# Altium PCB GreenHose-PCB.PcbDoc (continued)
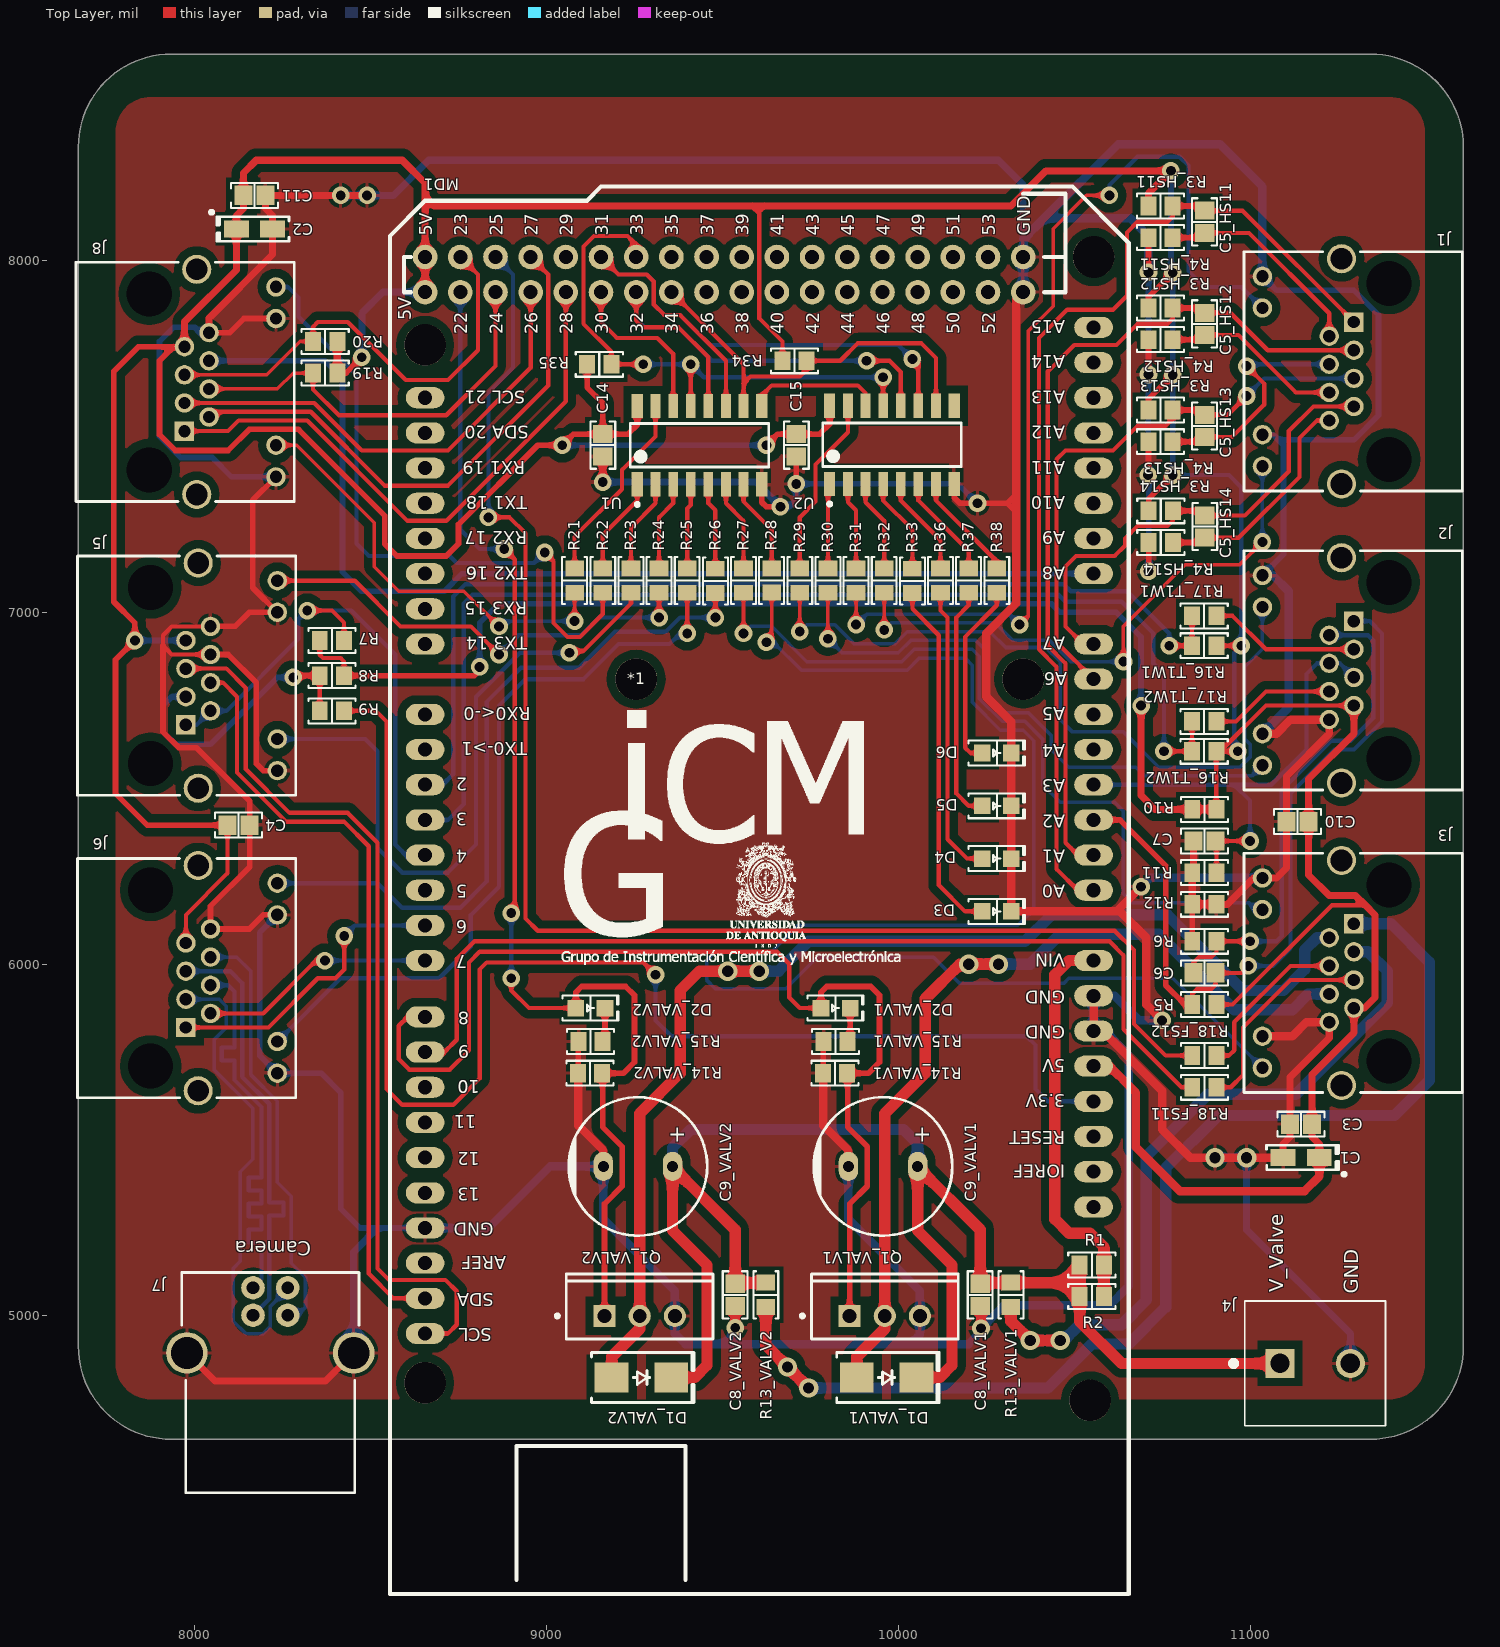
[diagram p0: Top Layer view]
## Footprints (in the part's own frame and the unit in brackets; to place one, negate y for a bottom-side part, rotate by r counter-clockwise, add the part's x,y. Pads: shape width x height; smd on the part's side, far side on the other; paste and mask are expansions set on the pad) (continued)
LOGO [mil]
  silkscreen extent 8,0 970,721
"RES 0805_2012" [mm] "Chip Resistor, 2-Leads, Body 2.00x1.25mm, IPC Medium Density"
  rect 1.15x1.35 smd: 1(-0.875,0) 2(0.875,0)
  silkscreen extent -1.7,-0.9 1.7,0.9, body extent -1,-0.62 1,0.63, height 0.6
TE_282841-2 [mm]
  rect 2.1x2.1 hole 1.4: 1(-2.54,0)
  round 2.1 hole 1.4: 2(2.54,0)
  silkscreen extent -6.09,-4.5 5.08,4.5, body extent -5.08,-4.55 5.58,4.44, height 15.21
TECO-2-406549-1_V [mm] "Connector, 12-Leads, Body 17.27x15.75mm, Pitch 1.016mm"
  rect 1.4x1.4 hole 0.89: 1(3.556,-0.889)
  round 1.4 hole 0.89: 2(2.54,0.889) 3(1.524,-0.889) 4(0.508,0.889) 5(-0.508,-0.889) 6(-1.524,0.889) 7(-2.54,-0.889) 8(-3.556,0.889) 9(-4.572,5.715) 10(-6.858,5.715) 11(6.858,5.715) 12(4.572,5.715)
  round 0 hole 3.251 unplated: MH1(6.35,-3.429) MH2(-6.35,-3.429)
  round 2.1 hole 1.575: S1(8.128,0) S2(-8.128,0)
  silkscreen extent -8.63,-8.71 8.64,7.04, body extent -9.32,-9.68 9.32,7.04, height 14.61

## Part data
C1 C2: library part TCNK106M025R0350, "CAP TANT POLY 10UF 25V 1206"
C3 C4 C5_HS11 C5_HS12 C5_HS13 C5_HS14 C6 C7 C8_VALV1 C8_VALV2 C10 C11 C14 C15: library part C0805C104M5RACAUTO, "CAP CER 0.1UF 50V X7R 0805"
C9_VALV1 C9_VALV2: library part UBT1J470MPD1TD, "CAP ALUM 47UF 20% 63V RADIAL"
D1_VALV1 D1_VALV2: library part MURS120T3G, "DIODE GEN PURP 200V 2A SMB"
D2_VALV1 D2_VALV2 D3 D4 D5 D6: library part APT2012SYCK, "LED YELLOW CLEAR CHIP SMD"
J1 J2 J3 J5 J6 J8: library part CMP-2000-05541-1, "RJ45 Connector, Pitch 1.016 mm, 8 Position, Height 14.22 mm, Tail Length 3.18 mm, RoHS, Tray"
J4: "Conn Terminal Block 2 POS 5.08mm Solder ST Thru-Hole 17.5A/Contact"
J7: library part 61729-1011BLF, "CONN RCPT USB2.0 TYPEB 4POS R/A"
MD1: library part Arduino_Mega_R3
Q1_VALV1 Q1_VALV2: library part CMP-2100-03647-1, "HEXFET(R) Power MOSFET, 100 V, 9.7 A, 0.2 Ohm, -55 to 175 degC, 3-Pin FM (TO-220AB), RoHS, Tube"
R1 R2 R3_HS11 R3_HS12 R3_HS13 R3_HS14 R4_HS11 R4_HS12 R4_HS13 R4_HS14 R5 R6 R7 R8 R9 R10 R11 R12 R13_VALV1 R13_VALV2 R14_VALV1 R14_VALV2 R15_VALV1 R15_VALV2 R16_T1W1 R16_T1W2 R17_T1W1 R17_T1W2 R18_FS11 R18_FS12 R19 R20 R21 R22 R23 R24 R25 R26 R27 R28 R29 R30 R31 R32 R33 R34 R35 R36 R37 R38: library part RC0805FR-071K47L, "RES SMD 1.47K OHM 1% 1/8W 0805"
U1 U2: library part CMP-14351-000003-1, "IC SHIFT REGISTER 8BIT 16SOIC"

## Via types
v1: diameter 50, hole 28, Top Layer to Bottom Layer, 65 vias
v2: diameter 55, hole 32, Top Layer to Bottom Layer, 10 vias

## Nets (pads, with @x,y where several pads share a name; then routed paths per layer and width w, separated by ;. In a path a pad name is that pad's centre, name@x,y a point inside that pad or via, vN(x,y) a via of type N, cw(c..) or ccw(c..) an arc to the next point about the centre after c; other vN are vias at no path point)
3V3: MD1.62 R9.2 | length 3869
  Top Layer w12: R9.2 8515,6720 8545,6690 8545,5645 8590,5600 8735,5600 8810,5675 8810,5985 8830,6005 9275,6005 v1(9310,5970)
  Bottom Layer w12: v1(9310,5970) 9310,5840 9355,5795 10365,5795 10390,5770 10390,5645 10425,5610 MD1.62
5V0: C1.1 C2.1 C3.2 C4.2 C10.2 C11.2 C14.2 C15.2 J2.7 J3.7 J5.7 J6.7 J8.7 MD1.61 MD1.82 MD1.83 R3_HS11.2 R3_HS12.2 R3_HS13.2 R3_HS14.2 R5.2 R7.2 R8.2 R10.1 R10.2 R16_T1W1.2 R16_T1W2.2 R19.2 R20.2 R34.2 R35.2 U1.16 U2.16 | length 19574.4
  Top Layer w12: J6.7 7975,6140 8093.5,6258.5 C4.2 ; R7.2 8355.55,6879.45 8365,6870 8415,6870 8424.45,6860.55 R8.2 ; 9585,8155 9605,8135 ; 9620,8155 9605,8140 9605,8135 ; R34.2 9670.55,7769.45 9605,7835 9605,8135 ; R16_T1W1.2 v1(10975,6905) ; R5.2 10950,5885 11232.5,6167.5 11327.5,6167.5 ; R10.2 10903.9,6440.55 R16_T1W2.2 R16_T1W2.2@10915,6605 ; v1(10965,6605) R16_T1W2.2@10915,6605 ; J2.7 11045,6735 R16_T1W2.2@10915,6605
  Top Layer w16: J8.7 7940,7755 ; C4.2 7865,6395 7775,6485 7775,6865 v1(7830,6920) 7830,6970 7770,7030 7770,7685 7840,7755 7940,7755 ; R19.2 8430,7680 v1(8475,7725) ; R8.2 8795,6820 8810,6835 v1(8810,6845) ; R35.2 9115.55,7639.45 9160,7595 C14.2 ; U1.16 9258.03,7533.03 9231.5,7506.5 C14.2 ; v1(9625,7475) 9656.5,7506.5 C15.2 9776.5,7506.5 9805,7535 U2.16 ; R3_HS13.2 10711.1,7606.1 v1(10780,7675) ; R3_HS12.2 10711.1,7896.1 v1(10780,7965) ; R3_HS14.2 10711.65,7321.65 v1(10780,7390) ; 7940,7755 7900,7715 7900,7505 7945,7460 8095,7460 8155,7520 8295,7520 8540,7275 8540,7195 8575,7160 8715,7160 8750,7195 8750,7250 8975,7475 v1(9045,7475) 9076.5,7506.5 C14.2
  Top Layer w20: J8.7 7970.91,7825.91 8118.43,7973.43 C2.1 8118.43,8128.43 8138.5,8148.5 C11.2 8138.5,8248.5 8175,8285 8590,8285 8655,8220 8655,8180 ; R19.2 R20.2 ; MD1.82 MD1.83 8655,8180 ; v1(10690,6735) 10690,6480 10730,6440 R10.1 R10.2 ; R3_HS11.2 10711.1,8191.1 v1(10775,8255) 10420,8255 10320,8155 9620,8155 9585,8155 8680,8155 8655,8180 ; C1.1 11196.57,5488.43 11176.5,5508.5 C3.2 11176.5,5686.5 11295,5805 J3.7 11325,5875 11355,5905 11355,6140 11327.5,6167.5 11300,6195 11225,6195 11166.5,6253.5 C10.2 11166.5,6526.5 11295,6655 J2.7
  Top Layer w24: MD1.61 10600,5710 10675,5635 10675,5480 10800,5355 11155,5355 11196.57,5396.57 C1.1
  Bottom Layer w12: v1(10780,7390) 10940,7390 10975,7355 v1(10975,6905) 10955,6885 10955,6615 v1(10965,6605)
  Bottom Layer w16: v1(7830,6920) J5.7 ; v1(8810,6845) 8810,6970 8864,7024 10436,7024 10460,7000 10620,7000 10690,6930 v1(10690,6735) ; v1(9045,7475) v1(9625,7475) ; v1(10775,8255) 10775,7970 v1(10780,7965) v1(10780,7675) v1(10780,7390)
  Bottom Layer w20: v1(8475,7725) 8475,7850 8535,7910 MD1.82
AQS_1: C7.2 J2.4 J2.5 MD1.69 R11.2 | length 1393
  Top Layer w12: R11.2 10904.45,6347.6 C7.2 v1(11000,6350)
  Bottom Layer w12: MD1.69 10955,6510 ; v1(11000,6350) 11000,6465 10955,6510 ; J2.5 11255,6855 J2.4 11190,6855 11160,6825 11160,6610 11060,6510 10955,6510
CLK_LATCH: MD1.32 U1.12 U2.12 | length 1452.8
  Top Layer w12: MD1.32 9255,7830 9275,7810 9375,7810 9460,7725 U1.12 ; v1(9910,7715) 9975,7715 10006.97,7683.03 U2.12
  Bottom Layer w12: MD1.32 9255,7835 9280,7810 9375,7810 9470,7715 v1(9910,7715)
CLK_SHIFT: MD1.31 U1.11 U2.11 | length 1826.8
  Top Layer w12: MD1.31 9205,7960 9285,7960 9305,7940 9305,7875 9335,7845 9380,7845 9510,7715 U1.11 ; v1(10040,7720) 10056.97,7703.03 U2.11
  Bottom Layer w12: MD1.31 9205,7960 9285,7960 9305,7940 9305,7875 9335,7845 9380,7845 9465,7760 10000,7760 v1(10040,7720)
D_BUS_N: J6.5 J7.3 | length 1250
  Bottom Layer w12: J6.5 8101.11,5980 8135,5946.11 8135,5680 8212,5603 8212,5560 8212,5359.5 8212,5322.5 8252.25,5322.5 8252.25,5285.5 8212,5285.5 8212,5248.5 8212,5230 8212,5047.91 J7.3
D_BUS_P: J6.4 J7.2 | length 1250
  Bottom Layer w12: J6.4 8095,5940 8113,5922 8113,5763.39 8076.67,5763.39 8076.67,5726.39 8113,5726.39 8113,5689.39 8113,5670.89 8190,5593.89 8190,5393.5 8153.67,5393.5 8153.67,5356.5 8190,5356.5 8190,5319.5 8153.67,5319.5 8153.67,5282.5 8190,5282.5 8190,5245.5 8153.67,5245.5 8153.67,5208.5 8190,5208.5 8190,5190 8190,5104.25 J7.2
DATA_IN: MD1.30 U1.14 | length 476.1
  Top Layer w12: MD1.30 9155,7825 9200,7780 9315,7780 9360,7735 U1.14
FS_1: MD1.9 R18_FS11.1 | length 2740.7
  Top Layer w12: MD1.9 8710,5750 8745,5785 8745,6015 8795,6065 10600,6065 10640,6025 10640,5815 10805,5650 R18_FS11.1
FS_2: MD1.25 R18_FS12.1 | length 4188.5
  Top Layer w12: v1(8835,7270) 8895,7270 8940,7225 8940,6130 8975,6095 10615,6095 10670,6040 10670,5830 10760,5740 R18_FS12.1
  Bottom Layer w12: v1(8835,7270) 8835,7625 8905,7695 8905,7960 MD1.25
GND: C1.2 C2.2 C3.1 C4.1 C7.1 C8_VALV1.1 C8_VALV2.1 C9_VALV1.2 C9_VALV2.2 C10.1 C11.1 C14.1 C15.1 D3.2 D4.2 D5.2 D6.2 J1.9 J1.11 J2.8 J2.9 J2.11 J3.8 J3.9 J3.11 J4.2 J5.6 J5.8 J5.9 J5.11 J6.8 J6.9 J6.11 J7.S J8.8 J8.9 J8.11 MD1.54 MD1.59 MD1.60 MD1.84 MD1.85 Q1_VALV1.3 Q1_VALV2.3 R4_HS11.1 R4_HS12.1 R4_HS13.1 R4_HS14.1 R6.1 R11.1 R12.1 R12.2 R14_VALV1.1 R14_VALV2.1 R15_VALV1.1 R15_VALV2.1 U1.8 U2.8 | length 27070.8
  Top Layer w12: J5.6 7935,6880 7910,6905 7910,6935 7935,6960 J5.8
  Top Layer w16: 7910,6905 7910,6660 7955,6615 8005,6615 8156.5,6463.5 C4.1 8156.5,6276.5 8045,6165 J6.8 8155,6100 8195,6140 J6.9 ; J8.8 8100,7795 8140,7835 J8.9 ; J5.6 8095,6880 8175,6800 8175,6570 8195,6550 J5.11 ; J5.8 8115,6960 8155,7000 J5.9 8165,7070 8165,7319.09 J8.11 ; R14_VALV2.1@9090.55,5690 R15_VALV2.1 ; U1.8 9611.97,7313.03 9625,7300 v1(9665,7300) ; v1(9710,7365) C15.1 ; R14_VALV1.1@9787.13,5690 R15_VALV1.1 ; U2.8 10158.94,7326.06 10175,7310 v1(10225,7310) 10310,7310 ; 10335,7285 10310,7310 ; 10335,7335 10310,7310 ; v1(10710,7390) 10711.1,7391.1 R4_HS13.1 ; v1(10711.1,7676.1) R4_HS12.1 ; v1(10711.1,7966.1) R4_HS11.1 ; v1(10711.65,7116.65) R4_HS14.1 ; R6.1 R12.1
  Top Layer w20: J7.S@7977.99,4895 8057.99,4815 8372.01,4815 J7.S@8452.01,4895 ; J8.8 8040.91,7835.91 8221.57,8016.57 C2.2 8221.57,8128.43 8201.5,8148.5 C11.1 v1(8415,8185) v1(8490,8185) ; v1(9160,7370) C14.1 ; C7.1 10839.06,6263.5 R11.1 R12.1 R12.2 10935,6170 11010,6245 J3.11 11075,6245 11103.5,6273.5 C10.1 11103.5,6533.5 11225,6655 J2.8 ; C1.2 11093.43,5488.43 11113.5,5508.5 C3.1 11113.5,5678.5 11225,5790 J3.8
  Top Layer w24: R14_VALV2.1@9090.55,5690 9090.55,5540.79 9161.58,5469.76 C9_VALV2.2 ; v1(9536.34,4966.34) C8_VALV2.1 ; R14_VALV1.1@9787.13,5690 9787.13,5540.79 9858.15,5469.76 C9_VALV1.2 ; C8_VALV1.1 10235,5026.42 v1(10235,4965) ; MD1.84@10365,7900 MD1.84 10335,7890 10335,7335 10335,7285 10335,7025 10250,6940 10250,6760 10321.34,6688.66 D6.2 D5.2 D4.2 D3.2 10620,6150 ; MD1.59 MD1.60 10580,5810 10750,5640 10750,5530 10830,5450 v2(10900,5450) v2(10990,5450) C1.2 ; v1(10690,6220) 10620,6150 ; v1(10750,5840) 10705,5885 10705,6075 10630,6150 10620,6150 ; J3.9 11120,5795 11160,5835 J3.8 ; J2.9 11075,6655 11115,6695 J2.8
  Bottom Layer w16: J8.8 8015,7795 8000,7810 7940,7810 7900,7770 7900,7500 7960,7440 8050,7440 8105,7385 J8.11 ; J6.9 8185,6090 8185,5740 J6.11 8360,5690 8415,5635 8415,5305 8470,5250 8520,5250 MD1.54 ; v1(9665,7300) 9690,7300 9710,7320 v1(9710,7365) 10170,7365 v1(10225,7310) ; v1(10711.1,7966.1) v1(10711.1,7676.1) 10710,7675 v1(10710,7390) 10711.65,7388.35 v1(10711.65,7116.65) ; J2.11 11095,7165 11095,7475 11080,7490 ; J1.9 11065,7505 11080,7490 ; J1.11 11075,7915 11295,7915 11365,7845 11365,7560 11295,7490 11080,7490
  Bottom Layer w20: v1(8415,8185) v1(8490,8185) 8565,8185 8665,8285 10285,8285 10355,8215 10355,8060 MD1.85 ; J7.S@8452.01,4895 8452.01,5182.01 8520,5250 ; v1(9160,7370) 9595,7370 v1(9665,7300) ; v2(10990,5450) 10990,5245 11285,4950 J4.2
  Bottom Layer w24: MD1.54 8835,5250 9010,5425 C9_VALV2.2 9161.58,5274.76 9365,5071.34 Q1_VALV2.3 9365,4950 9395,4920 9505,4920 ; v1(9536.34,4966.34) 9536.34,4951.34 9505,4920 ; C9_VALV1.2 9858.15,5274.76 10061.58,5071.34 Q1_VALV1.3 10061.58,4946.57 10035,4920 ; MD1.84 MD1.85 ; 10355,8060 10415,8120 ; v1(10690,6220) 10715,6245 J3.11 ; v1(10711.1,7966.1) 10711.1,8068.9 10660,8120 10415,8120 ; v1(10750,5840) 10685,5840 10615,5910 MD1.59 MD1.60 10585,5810 10655,5740 10655,5085 10600,5030 10300,5030 v1(10235,4965) 10245,4955 10235,4955 10200,4920 10035,4920 ; v2(10900,5450) v2(10990,5450) ; J2.9 11110,6730 11110,7060 11065,7105 J2.11 ; J1.11 11035,8210 10915,8330 10625,8330 10415,8120 ; 9505,4920 10035,4920
GND_BUS: J6.6 J7.4 | length 1211.2
  Bottom Layer w10: J6.6 8120,6020 8160,5980 8160,5685 8235,5610 8235,5380 8275,5340 8275,5150 8315,5110 8315,5025 8291.69,5001.69 J7.4
H_IN_N_1: C5_HS11.1 J1.2 R4_HS11.2 | length 610.2
  Top Layer w12: C5_HS11.1 10996.5,8078.5 11225,7850 J1.2
  Top Layer w16: R4_HS11.2 10857.05,8065 C5_HS11.1
H_IN_N_2: C5_HS12.1 J1.6 R4_HS12.2 | length 518.3
  Top Layer w12: C5_HS12.1 10966.5,7788.5 11130,7625 J1.6
  Top Layer w16: R4_HS12.2 10857.05,7775 C5_HS12.1
H_IN_N_3: C5_HS13.1 J1.4 R4_HS13.2 | length 671.3
  Top Layer w12: C5_HS13.1 10948.5,7498.5 11040,7590 11040,7650 v1(10990,7700)
  Top Layer w16: R4_HS13.2 10857.05,7485 C5_HS13.1
  Bottom Layer w12: v1(10990,7700) 10995,7705 J1.4
H_IN_N_4: C5_HS14.1 J1.8 R4_HS14.2 | length 652.4
  Top Layer w12: C5_HS14.1 10967.01,7212.01 11140,7385 11140,7495 11190,7545 J1.8
  Top Layer w16: R4_HS14.2 10857.6,7198.5 C5_HS14.1
H_IN_P_1: C5_HS11.2 J1.1 MD1.66 R3_HS11.1 | length 2970.6
  Top Layer w12: MD1.66 10510,6210 10450,6270 10450,6845 10400,6895 10400,7780 10480,7860 10610,7860 10650,7900 10650,8080 10680,8110 10765,8110 10780,8125 R3_HS11.1 ; C5_HS11.2 10978.5,8141.5 J1.1
  Top Layer w16: R3_HS11.1 10857.05,8155 C5_HS11.2
H_IN_P_2: C5_HS12.2 J1.3 MD1.67 R3_HS12.1 | length 2467
  Top Layer w12: MD1.67 10510,6310 10475,6345 10475,6855 10425,6905 10425,7685 10500,7760 10620,7760 10680,7820 10765,7820 10780,7835 R3_HS12.1 ; C5_HS12.2 10943.5,7851.5 11050,7745 J1.3
  Top Layer w16: R3_HS12.1 10857.05,7865 C5_HS12.2
H_IN_P_3: C5_HS13.2 J1.5 MD1.72 R3_HS13.1 | length 1634.6
  Top Layer w12: MD1.72 10450,6915 10450,7435 10475,7460 10610,7460 10680,7530 10760,7530 10780,7550 R3_HS13.1 ; C5_HS13.2 10936.5,7561.5 v1(10990,7615)
  Top Layer w16: R3_HS13.1 10857.05,7575 C5_HS13.2
  Bottom Layer w12: v1(10990,7615) 11040,7665 J1.5
H_IN_P_4: C5_HS14.2 J1.7 MD1.73 R3_HS14.1 | length 1385.8
  Top Layer w12: MD1.73 10525,6910 10475,6960 10475,7130 10505,7160 10615,7160 10645,7190 10645,7210 10680,7245 10765,7245 10780.55,7260.55 R3_HS14.1 ; C5_HS14.2 10985,7275 11110,7400 11110,7515 11180,7585 J1.7
  Top Layer w16: R3_HS14.1 10857.6,7288.5 C5_HS14.2
HALL_E_1: J3.5 R18_FS11.2 | length 596
  Top Layer w12: R18_FS11.2 10945,5650 10980,5685 10980,5820 11115,5955 J3.5
HALL_E_2: J3.4 R18_FS12.2 | length 473
  Top Layer w12: R18_FS12.2 10940,5740 10955,5755 10955,5835 11115,5995 J3.4
L_IN_N: C6.1 J2.2 R6.2 | length 1440.7
  Top Layer w12: C6.1 10838.5,6003.5 10855,6020 10890,6020 10904.45,6034.45 R6.2 v1(11000,6065)
  Bottom Layer w12: v1(11000,6065) 11075,6065 11090,6080 11090,6495 11230,6635 11285,6635 11350,6700 11350,6920 11335,6935 J2.2
L_IN_P: C6.2 J2.1 MD1.68 R5.1 | length 2214
  Top Layer w12: R5.1 10835.55,5915.55 10850,5930 10890,5930 10901.5,5941.5 C6.2 10906.5,5980 10911.5,5975 10975,5975 v1(10995,5995)
  Top Layer w16: MD1.68 10630,6410 10760,6280 10760,5940 10815,5885 R5.1
  Bottom Layer w12: v1(10995,5995) 11065,5995 11115,6045 11115,6485 11240,6610 11295,6610 11375,6690 11375,6940 11340,6975 J2.1
M_RST: MD1.34 R34.1 U1.10 U2.10 | length 1171.2
  Top Layer w12: MD1.34 9560,7705 9560,7650 ; U1.10 9560,7650 ; U2.10 10106.97,7723.03 10065,7765 9885,7765 9835,7715 R34.1 9739.45,7689.45 9720,7670 9580,7670 9560,7650
NetD2_VALV1_2: D2_VALV1.2 R15_VALV1.2 | length 97.9
  Top Layer w16: R15_VALV1.2 9862.91,5786.89 D2_VALV1.2
NetD2_VALV2_2: D2_VALV2.2 R15_VALV2.2 | length 97.9
  Top Layer w16: R15_VALV2.2 9166.34,5786.89 D2_VALV2.2
NetD3_1: D3.1 R33.1 | length 1015.8
  Top Layer w12: R33.1 10040,7010 10115,6935 10115,6225 10190,6150 D3.1
NetD4_1: D4.1 R36.1 | length 830.3
  Top Layer w12: R36.1 10120,7005 10140,6985 10140,6355 10195,6300 D4.1
NetD5_1: D5.1 R37.1 | length 673.2
  Top Layer w12: R37.1 10200,7020 10165,6985 10165,6485 10200,6450 D5.1
NetD6_1: D6.1 R38.1 | length 532.7
  Top Layer w12: D6.1 10205,6600 10190,6615 10190,6930 10280,7020 R38.1
NetJ1_10: J1.10 R32.1 | length 1648.8
  Top Layer w10: v1(9960,6950) R32.1 ; v1(10640,6860) 10640,6960 10815,7135 10970,7135 v1(11035,7200)
  Bottom Layer w10: v1(9960,6950) 9980,6970 10275,6970 10325,6920 10430,6920 10490,6860 v1(10640,6860) ; v1(11035,7200) J1.10
NetJ1_12: J1.12 R31.1 | length 2796.1
  Top Layer w10: v1(9880,6965) R31.1 ; v1(10345,6965) 10370,6990 10370,7800 10440,7870 10440,8090 10535,8185 10555,8185
  Top Layer w12: 10555,8185 v1(10600,8185)
  Bottom Layer w10: v1(9880,6965) 9910,6995 10315,6995 v1(10345,6965)
  Bottom Layer w12: v1(10600,8185) 10600,8215 10680,8295 10800,8295 10825,8270 10825,7970 10870,7925 10975,7925 J1.12
NetJ2_10: J2.10 R30.1 | length 1662.2
  Top Layer w10: v1(9800,6925) R30.1
  Bottom Layer w10: v1(9800,6925) 9840,6885 10000,6885 10035,6920 10220,6920 10255,6885 10255,6765 10305,6715 10370,6715 10435,6650 10435,6610 10485,6560 10675,6560 10700,6535 11005,6535 J2.10
NetJ2_12: J2.12 R29.1 | length 2158
  Top Layer w10: v1(9720,6945) R29.1
  Bottom Layer w10: v1(9720,6945) 9740,6965 9820,6965 9875,6910 9990,6910 10025,6945 10260,6945 10305,6900 10420,6900 10460,6860 10460,6695 10495,6660 10640,6660 10740,6560 10970.91,6560 11001,6590.09 11001,6624 10985,6640 10985,6845 11035,6895 J2.12
NetJ3_10: J3.10 R28.1 | length 4409.4
  Top Layer w10: v1(9625,6915) 9640,6930 R28.1
  Bottom Layer w10: v1(9625,6915) 9645,6915 9725,6835 10025,6835 10060,6870 10190,6870 10210,6850 10210,6745 10290,6665 10355,6665 10385,6635 10385,6155 10340,6110 9715,6110 9640,6035 9480,6035 9455,6010 9455,5955 9480,5930 9680,5930 9770,6020 10100,6020 10175,5945 10470,5945 10485,5960 10780,5960 J3.10
NetJ3_12: J3.12 R27.1 | length 2245.4
  Top Layer w10: v1(9560,6940) R27.1
  Bottom Layer w10: v1(9560,6940) 9580,6960 9640,6960 9740,6860 10010,6860 10045,6895 10210,6895 10230,6875 10230,6755 10295,6690 10360,6690 10410,6640 10410,6510 10460,6460 10615,6460 10640,6435 10640,6200 10665,6175 10995,6175 11015,6155 J3.12
NetJ5_4: J5.4 MD1.56 | length 2172.5
  Top Layer w12: J5.4 8080,6800 8120,6760 8120,6544.64 8259.64,6405 8424.64,6405 8494.68,6334.97 8494.68,5120.32 8565,5050 MD1.56
NetJ5_5: J5.5 MD1.57 | length 2542
  Top Layer w12: J5.5 8090,6840 8145,6785 8145,6555 8270,6430 8435,6430 8520,6345 8520,5135 8552.5,5102.5 8712.5,5102.5 8745,5070 8745,4975 8720,4950 MD1.57
NetJ5_10: J5.10 R24.1 | length 1286
  Top Layer w12: J5.10 8455,7090 8585,6960 8785,6960 v1(8865,6880) ; v1(9320,6985) R24.1
  Bottom Layer w12: v1(8865,6880) 8920,6935 9100,6935 9150,6985 v1(9320,6985)
NetJ5_12: J5.12 R23.1 | length 1924
  Top Layer w12: v1(9065,6885) 9065,6880 9075,6890 9105,6890 9240,7025 R23.1
  Bottom Layer w12: J5.12 8485,6640 8520,6605 8520,6330 8590,6260 8720,6260 8800,6340 8800,6760 8925,6885 v1(9065,6885)
NetJ6_10: J6.10 R26.1 | length 1984.5
  Top Layer w12: v1(9480,6985) R26.1
  Bottom Layer w12: J6.10 8520,6230 8590,6160 8755,6160 8830,6235 8830,6745 8927.5,6842.5 9092.5,6842.5 9195,6945 9340,6945 9380,6985 v1(9480,6985)
NetJ6_12: J6.12 R25.1 | length 2115.4
  Top Layer w12: v1(9400,6940) R25.1
  Bottom Layer w12: J6.12 8415,5960 8695,5960 8785,6050 8785,6140 8865,6220 8865,6735 8940,6810 9105,6810 9205,6910 9350,6910 9380,6940 v1(9400,6940)
NetJ8_1: J8.1 MD1.28 | length 1665.4
  Top Layer w12: J8.1 8095,7515 8125,7545 8320,7545 8605,7260 8715,7260 9055,7600 MD1.28
NetJ8_2: J8.2 MD1.27 | length 1561
  Top Layer w12: J8.2 8055.91,7570 8330,7570 8540,7360 8720,7360 9005,7645 9005,7960 MD1.27
NetJ8_3: J8.3 MD1.26 | length 1352.3
  Top Layer w12: J8.3 8340,7595 8475,7460 8720,7460 8955,7695 MD1.26
NetJ8_4: J8.4 MD1.24 R19.1 | length 1177.6
  Top Layer w10: J8.4 8235,7635 8280,7680 R19.1
  Top Layer w12: R19.1 8336.46,7633.54 8410,7560 8715,7560 8855,7700 MD1.24
NetJ8_5: J8.5 MD1.23 R20.1 | length 1309.8
  Top Layer w10: J8.5 8205,7675 8300,7770 R20.1
  Top Layer w12: R20.1 8336.46,7811.46 8350,7825 8435,7825 8600,7660 8720,7660 8805,7745 8805,7960 MD1.23
NetJ8_6: J8.6 MD1.74 | length 3128.3
  Bottom Layer w16: J8.6 8370,7715 8420,7665 8420,7115 8475,7060 8710,7060 8760,7110 MD1.74
NetJ8_10: J8.10 R22.1 | length 1869.5
  Top Layer w12: v1(8995,7170) 9020,7145 9020,6970 9060,6930 9095,6930 9160,6995 R22.1
  Bottom Layer w12: J8.10 8265,7925 8295,7895 8295,7840 8460,7675 8460,7195 8495,7160 8725,7160 8745,7140 8965,7140 v1(8995,7170)
NetJ8_12: J8.12 R21.1 | length 1222.4
  Top Layer w10: J8.12 8290,7475 8510,7255 8510,7130 8580,7060 8765,7060 v1(8865,6960) ; v1(9080,6975) R21.1
  Bottom Layer w10: v1(8865,6960) 8880,6975 v1(9080,6975)
NetR21_2: R21.2 U1.15 | length 557
  Top Layer w12: R21.2 9080,7215 9215,7350 9215,7405 9310,7500 U1.15
NetR22_2: R22.2 U1.1 | length 279.9
  Top Layer w12: R22.2 9160,7220 9258.03,7318.03 U1.1
NetR23_2: R23.2 U1.2 | length 268.3
  Top Layer w12: R23.2 9240,7240 9310,7310 U1.2
NetR24_2: R24.2 U1.3 | length 255.9
  Top Layer w12: R24.2 9320,7270 9360,7310 U1.3
NetR25_2: R25.2 U1.4 | length 243.5
  Top Layer w12: R25.2 9400,7295 9410,7305 U1.4
NetR26_2: R26.2 U1.5 | length 248.2
  Top Layer w12: U1.5 9460,7310 9480,7290 R26.2
NetR27_2: R27.2 U1.6 | length 260
  Top Layer w12: U1.6 9510,7310 9560,7260 R27.2
NetR28_2: R28.2 U1.7 | length 271.9
  Top Layer w12: U1.7 9560,7315 9640,7235 R28.2
NetR29_2: R29.2 U2.15 | length 519.7
  Top Layer w12: R29.2 9720,7270 9765,7315 9765,7420 9856.97,7511.97 U2.15
NetR30_2: R30.2 U2.1 | length 242.6
  Top Layer w12: R30.2 9800,7360 U2.1
NetR31_2: R31.2 U2.2 | length 250.1
  Top Layer w12: U2.2 9856.97,7313.03 9880,7290 R31.2
NetR32_2: R32.2 U2.3 | length 262.5
  Top Layer w12: U2.3 9906.97,7313.03 9960,7260 R32.2
NetR33_2: R33.2 U2.4 | length 275.5
  Top Layer w12: U2.4 9956.97,7318.03 10040,7235 R33.2
NetR36_2: R36.2 U2.5 | length 287.4
  Top Layer w12: U2.5 10006.97,7318.03 10120,7205 R36.2
NetR37_2: R37.2 U2.6 | length 299.8
  Top Layer w12: U2.6 10056.97,7318.03 10200,7175 R37.2
NetR38_2: R38.2 U2.7 | length 312.2
  Top Layer w12: U2.7 10106.97,7318.03 10280,7145 R38.2
NetU1_9: U1.9 U2.14 | length 382
  Top Layer w12: U1.9 9611.97,7616.97 9640,7645 9885,7645 9906.97,7623.03 U2.14
ONE_WIRE_1: J2.3 R17_T1W1.2 | length 430.5
  Top Layer w12: R17_T1W1.2 10950,6990 11045,6895 J2.3
ONE_WIRE_2: J2.6 R17_T1W2.2 | length 356.3
  Top Layer w12: R17_T1W2.2 10960,6690 11045,6775 J2.6
OUT_EN: MD1.33 R35.1 U1.13 U2.13 | length 1562.9
  Top Layer w12: MD1.33 9255,8045 9230,8070 9135,8070 9105,8040 9105,7820 9184.45,7740.55 R35.1 v1(9275,7705) ; U1.13 v1(9410,7705) ; U2.13 v1(9956.97,7668.03)
  Bottom Layer w12: v1(9275,7705) v1(9410,7705) 9446.97,7668.03 v1(9956.97,7668.03)
T_1W_1: MD1.2 R16_T1W1.1 R17_T1W1.1 | length 2889.9
  Top Layer w12: v1(10770,6905) R16_T1W1.1 R17_T1W1.1
  Bottom Layer w12: MD1.2 8705,6510 8735,6540 8735,7045 8770,7080 10470,7080 10490,7060 10650,7060 10770,6940 v1(10770,6905)
T_1W_2: MD1.3 R16_T1W2.1 R17_T1W2.1 | length 3227
  Top Layer w12: v1(10755,6605) R16_T1W2.1 R17_T1W2.1
  Bottom Layer w12: MD1.3 8720,6410 8765,6455 8765,7025 8790,7050 10455,7050 10475,7030 10635,7030 10725,6940 10725,6855 10755,6825 v1(10755,6605)
THS_1: J5.1 J5.2 MD1.4 R7.1 | length 1620.3
  Top Layer w12: v1(8320,7005) 8390,7005 8424.45,6970.55 R7.1
  Bottom Layer w12: J5.1 8005,6680 J5.2 8090,6720 8295,6925 8295,6980 v1(8320,7005) 8445,7005 8570,6880 8570,6340 8600,6310 MD1.4
V_BUS: J6.3 J7.1 | length 1359.3
  Bottom Layer w10: J6.3 8070,5900 8090,5880 8090,5820 8055,5785 8055,5700 8165,5590 8165,5445 8130,5410 8130,5155 8110,5135 8110,4985 8145,4950 8195,4950 8215,4970 8215,5026.86 8264.21,5076.08 J7.1
V_PRESS: J5.3 R8.1 R9.1 | length 791.2
  Top Layer w12: R9.1 R8.1
  Top Layer w16: v1(8280,6815) 8285,6820 R8.1
  Bottom Layer w16: J5.3 7935,6760 7910,6735 7910,6660 7945,6625 8045,6625 8235,6815 v1(8280,6815)
V_VALVE: C8_VALV1.2 C8_VALV2.2 C9_VALV1.1 C9_VALV2.1 D1_VALV1.2 D1_VALV2.2 J4.1 R1.1 R2.1 R13_VALV1.2 R13_VALV2.2 | length 4342.7
  Top Layer w32: D1_VALV2.2 9421.34,4825 9456.34,4860 9456.34,5145 9358.42,5242.91 C9_VALV2.1@9358.42,5422.91 ; C9_VALV2.1 C9_VALV2.1@9358.42,5422.91 ; R13_VALV2.2@9620,5094.45 9539.29,5094.45 C8_VALV2.2 9536.34,5245 C9_VALV2.1@9358.42,5422.91 ; D1_VALV1.2 10117.91,4825 10152.91,4860 10152.91,5145 10055,5242.91 C9_VALV1.1@10055,5422.91 ; C9_VALV1.1 C9_VALV1.1@10055,5422.91 ; J4.1 10635,4865 10515.55,4984.45 R2.1 ; C9_VALV1.1@10055,5422.91 10232.91,5245 C8_VALV1.2 10235.87,5094.45 R13_VALV1.2 10465,5094.45 ; 10465,5094.45 R1.1 R2.1 ; 10465,5094.45 10504.45,5055 R2.1
  Bottom Layer w32: C9_VALV2.1 9358.42,5478.43 9410,5530 10015,5530 10055,5490 C9_VALV1.1
VALV_1: D2_VALV1.1 MD1.8 Q1_VALV1.1 R14_VALV1.2 | length 3056.1
  Top Layer w12: MD1.8 8605,5850 8580,5825 8580,5730 8610,5700 8725,5700 8780,5755 8780,6005 8810,6035 9655,6035 9690,6000 9690,5905 9720,5875 D2_VALV1.1
  Top Layer w16: D2_VALV1.1 9780.24,5920.16 9796.58,5936.5 9921.58,5936.5 9946.58,5911.5 9946.58,5721.5 9915.08,5690 9856.02,5690 9856.02,5536.89 9911.58,5481.34 9911.58,5368.66 9861.58,5318.66 Q1_VALV1.1
VALV_2: D2_VALV2.1 MD1.22 Q1_VALV2.1 R14_VALV2.2 | length 3561.7
  Top Layer w12: v1(8880,7180) 8910,7150 8910,6155 v1(8900,6145) ; v1@8890,6135 v1@8895,6140 ; v1(8900,5960) 8900,5925 8950,5875 D2_VALV2.1
  Top Layer w16: D2_VALV2.1 9083.66,5920.16 9100,5936.5 9225,5936.5 9250,5911.5 9250,5721.5 9218.5,5690 9159.45,5690 9159.45,5536.89 9215,5481.34 9215,5368.66 9165,5318.66 Q1_VALV2.1
  Bottom Layer w12: MD1.22 8755,7235 8810,7180 v1(8880,7180) ; v1(8900,5960) v1(8900,6145)
VALVE_N_1: D1_VALV1.1 J3.6 Q1_VALV1.2 | length 2574.3
  Top Layer w32: D1_VALV1.1 9881.93,4884.02 9961.58,4963.66 Q1_VALV1.2 9961.58,5575 10076.58,5690 10076.58,5901.57 10175,6000 v2(10200,6000) v2(10285,6000)
  Bottom Layer w32: v2(10200,6000) v2(10285,6000) 10375,6000 10460,6085 10740,6085 10955,5870 11120,5870 11165,5915 J3.6
VALVE_N_2: D1_VALV2.1 J3.2 Q1_VALV2.2 | length 3388.1
  Top Layer w32: D1_VALV2.1 9185.35,4884.02 9265,4963.66 Q1_VALV2.2 9265,5575 9380,5690 9380,5925 9435,5980 v2(9515,5980) v2(9605,5980)
  Bottom Layer w32: v2(9515,5980) v2(9605,5980) 9660,5980 9745,6065 10360,6065 10435,6140 10765,6140 10980,5925 11095,5925 11155,5985 11155,6040 11190,6075 J3.2
VALVE_P_1: J3.3 R13_VALV1.1 | length 2063.9
  Top Layer w32: R13_VALV1.1 10320,4985 v2(10375,4930) v2(10460,4930)
  Bottom Layer w32: v2(10375,4930) v2(10460,4930) 10470,4930 10515,4975 10635,4975 10705,5045 10705,5455 10880,5630 11130,5630 11390,5890 11390,5980 11335,6035 J3.3
VALVE_P_2: J3.1 R13_VALV2.1 | length 3320.1
  Top Layer w32: R13_VALV2.1 9623.42,4916.57 v2(9685,4855) v2(9745,4795)
  Bottom Layer w32: v2(9685,4855) v2(9745,4795) 10425,4795 10550,4920 10655,4920 10760,5025 10760,5420 10910,5570 11410,5570 11510,5670 11510,6005 11400,6115 J3.1
VIN: MD1.58 R1.2 R2.2 | length 1134.5
  Top Layer w32: MD1.58 10485,6010 10445,5970 10445,5275 10485,5235 10545,5235 10584.45,5195.55 R1.2 R2.2
W_DOUT: J6.1 MD1.6 | length 855.8
  Top Layer w12: J6.1 8210,5820 8350,5960 8400,5960 8425,5985 v1(8425,6080)
  Bottom Layer w12: v1(8425,6080) 8455,6110 MD1.6
W_SCK: J6.2 MD1.7 | length 672.1
  Top Layer w12: J6.2 8195,5860 8345,6010 v1(8370,6010)
  Bottom Layer w12: v1(8370,6010) MD1.7
pads on no net: J1.MH1 J1.MH2 J1.S1 J1.S2 J2.MH1 J2.MH2 J2.S1 J2.S2 J3.MH1 J3.MH2 J3.S1 J3.S2 J5.MH1 J5.MH2 J5.S1 J5.S2 J6.MH1 J6.MH2 J6.S1 J6.S2 J8.MH1 J8.MH2 J8.S1 J8.S2 MD1. MD1.0 MD1.1 MD1.5 MD1.10 MD1.11 MD1.12 MD1.13 MD1.14 MD1.15 MD1.16 MD1.17 MD1.18 MD1.19 MD1.20 MD1.21 MD1.29 MD1.35 MD1.36 MD1.37 MD1.38 MD1.39 MD1.40 MD1.41 MD1.42 MD1.43 MD1.44 MD1.45 MD1.46 MD1.47 MD1.48 MD1.49 MD1.50 MD1.51 MD1.52 MD1.53 MD1.55 MD1.63 MD1.64 MD1.65 MD1.70 MD1.71 MD1.75 MD1.76 MD1.77 MD1.78 MD1.79 MD1.80 MD1.81 U2.9

## Polygon pours and split planes (outlines as drawn)
GND on Bottom Layer "GroundPlaneB" (solid, pour order 4): 7775.59,5019.69 7775.59,4863.78 ccw(c7875.59,4863.78) 7875.59,4763.78 8000,4763.78 11396.06,4763.78 ccw(c11396.06,4863.78) 11496.06,4863.78 11496.06,5141.73 11496.06,8364.57 ccw(c11396.06,8364.57) 11396.06,8464.57 11122.05,8464.57 7875.59,8464.57 ccw(c7875.59,8364.57) 7775.59,8364.57 7775.59,8279.53
GND on Top Layer "GroundPlaneT" (solid, pour order 6): 7775.59,4881.46 7775.59,4863.78 ccw(c7875.59,4863.78) 7875.59,4763.78 7901.57,4763.78 11396.06,4763.78 ccw(c11396.06,4863.78) 11496.06,4863.78 11496.06,5019.69 11496.06,8364.57 ccw(c11396.06,8364.57) 11396.06,8464.57 11338.58,8464.57 7875.59,8464.57 ccw(c7875.59,8364.57) 7775.59,8364.57 7775.59,8338.58

## Silkscreen, mask and mechanical layers (free items; w line width, h text height)
Top Overlay:
  text "Camera" at 8330.71,5212.6 h40 r180
  text "V_Valve" at 11094.49,5066.93 h40 r90
  text "GND" at 11307.09,5062.99 h40 r90
Bottom Overlay:
  text "Sensores  / Adicionales" at 8195,7875 h40 r90
  text "Sensores  / Higrometro" at 11060,7490 h40 r270
  text "Sensores  / Ambientales" at 8200,7025 h40 r90
  text "Sensores  / Temperatura" at 11065,6655 h40 r270
  text "Sensores  / Apiario" at 8215,6135 h40 r90
  text "Sensores  / Flujo" at 11060,5800 h40 r270
Mechanical 1:
  the board outline again, w6

## Dimensions
7669.29,8322.83 to 11606.3,8322.83 on Mechanical 13
11342.52,8586.61 to 11342.52,4649.61 on Mechanical 13

## Text inside footprints (layer, text, board x,y; h text height)
C9_VALV1: Top Overlay "+" at 10043.19,5480.12 h78.74
C9_VALV2: Top Overlay "+" at 9346.61,5480.12 h78.74
MD1: Top Overlay "A15" at 10475,7830 h36 r180; Top Overlay "A14" at 10475,7730 h36 r180; Top Overlay "A13" at 10475,7630 h36 r180; Top Overlay "A12" at 10475,7530 h36 r180; Top Overlay "A11" at 10475,7430 h36 r180; Top Overlay "A10" at 10475,7330 h36 r180; Top Overlay "A9" at 10475,7230 h36 r180; Top Overlay "A8" at 10475,7130 h36 r180; Top Overlay "A7" at 10475,6930 h36 r180; Top Overlay "A6" at 10480,6830 h36 r180; Top Overlay "SCL 21" at 8940,7630 h36 r180; Top Overlay "SDA 20" at 8950,7530 h36 r180; Top Overlay "RX1 19" at 8940,7430 h36 r180; Top Overlay "TX1 18" at 8945,7330 h36 r180; Top Overlay "RX2 17" at 8945,7230 h36 r180; Top Overlay "TX2 16" at 8945,7130 h36 r180; Top Overlay "TX2 16" at 8945,7130 h36 r180; Top Overlay "RX3 15" at 8945,7030 h36 r180; Top Overlay "TX3 14" at 8945,6930 h36 r180; Top Overlay "RX0<-0" at 8955,6730 h36 r180; Top Overlay "TX0->1" at 8945,6630 h36 r180; Top Overlay "2" at 8775,6530 h36 r180; Top Overlay "3" at 8775,6430 h36 r180; Top Overlay "4" at 8775,6325 h36 r180; Top Overlay "5" at 8775,6225 h36 r180; Top Overlay "6" at 8775,6125 h36 r180; Top Overlay "7" at 8775,6025 h36 r180; Top Overlay "8" at 8780,5865 h36 r180; Top Overlay "9" at 8780,5770 h36 r180; Top Overlay "10" at 8810,5670 h36 r180; Top Overlay "10" at 8810,5670 h36 r180; Top Overlay "11" at 8800,5570 h36 r180; Top Overlay "12" at 8810,5465 h36 r180; Top Overlay "13" at 8810,5365 h36 r180; Top Overlay "GND" at 8850,5265 h36 r180; Top Overlay "AREF" at 8885,5170 h36 r180; Top Overlay "SDA" at 8850,5065 h36 r180; Top Overlay "SCL" at 8845,4965 h36 r180; Top Overlay "A5" at 10475,6730 h36 r180; Top Overlay "A4" at 10475,6625 h36 r180; Top Overlay "A3" at 10475,6525 h36 r180; Top Overlay "A2" at 10475,6425 h36 r180; Top Overlay "A1" at 10475,6325 h36 r180; Top Overlay "A0" at 10475,6225 h36 r180; Top Overlay "VIN" at 10475,6030 h36 r180; Top Overlay "GND" at 10475,5925 h36 r180; Top Overlay "GND" at 10475,5825 h36 r180; Top Overlay "5V" at 10475,5730 h36 r180; Top Overlay "3.3V" at 10475,5630 h36 r180; Top Overlay "RESET" at 10475,5525 h36 r180; Top Overlay "IOREF" at 10475,5430 h36 r180; Top Overlay "23" at 8775,8070 h36 r90; Top Overlay "22" at 8775,7790 h36 r90; Top Overlay "24" at 8875,7790 h36 r90; Top Overlay "26" at 8975,7790 h36 r90; Top Overlay "28" at 9075,7790 h36 r90; Top Overlay "30" at 9175,7790 h36 r90; Top Overlay "32" at 9275,7790 h36 r90; Top Overlay "34" at 9375,7790 h36 r90; Top Overlay "36" at 9475,7790 h36 r90; Top Overlay "38" at 9575,7790 h36 r90; Top Overlay "40" at 9675,7790 h36 r90; Top Overlay "42" at 9775,7790 h36 r90; Top Overlay "44" at 9875,7790 h36 r90; Top Overlay "46" at 9975,7790 h36 r90; Top Overlay "48" at 10075,7790 h36 r90; Top Overlay "50" at 10175,7790 h36 r90; Top Overlay "52" at 10275,7790 h36 r90; Top Overlay "25" at 8875,8070 h36 r90; Top Overlay "27" at 8975,8070 h36 r90; Top Overlay "29" at 9075,8070 h36 r90; Top Overlay "31" at 9175,8070 h36 r90; Top Overlay "33" at 9275,8070 h36 r90; Top Overlay "35" at 9375,8070 h36 r90; Top Overlay "37" at 9475,8070 h36 r90; Top Overlay "39" at 9575,8070 h36 r90; Top Overlay "41" at 9675,8070 h36 r90; Top Overlay "43" at 9775,8070 h36 r90; Top Overlay "45" at 9875,8070 h36 r90; Top Overlay "47" at 9975,8070 h36 r90; Top Overlay "49" at 10075,8070 h36 r90; Top Overlay "51" at 10175,8070 h36 r90; Top Overlay "53" at 10275,8070 h36 r90; Top Overlay "GND" at 10375,8070 h36 r90; Top Overlay "5V" at 8675,8070 h36 r90; Top Overlay "5V" at 8615,7830 h36 r90